# Altium PCB S6 V1.2.PcbDoc (part 1 of 3) (continued)
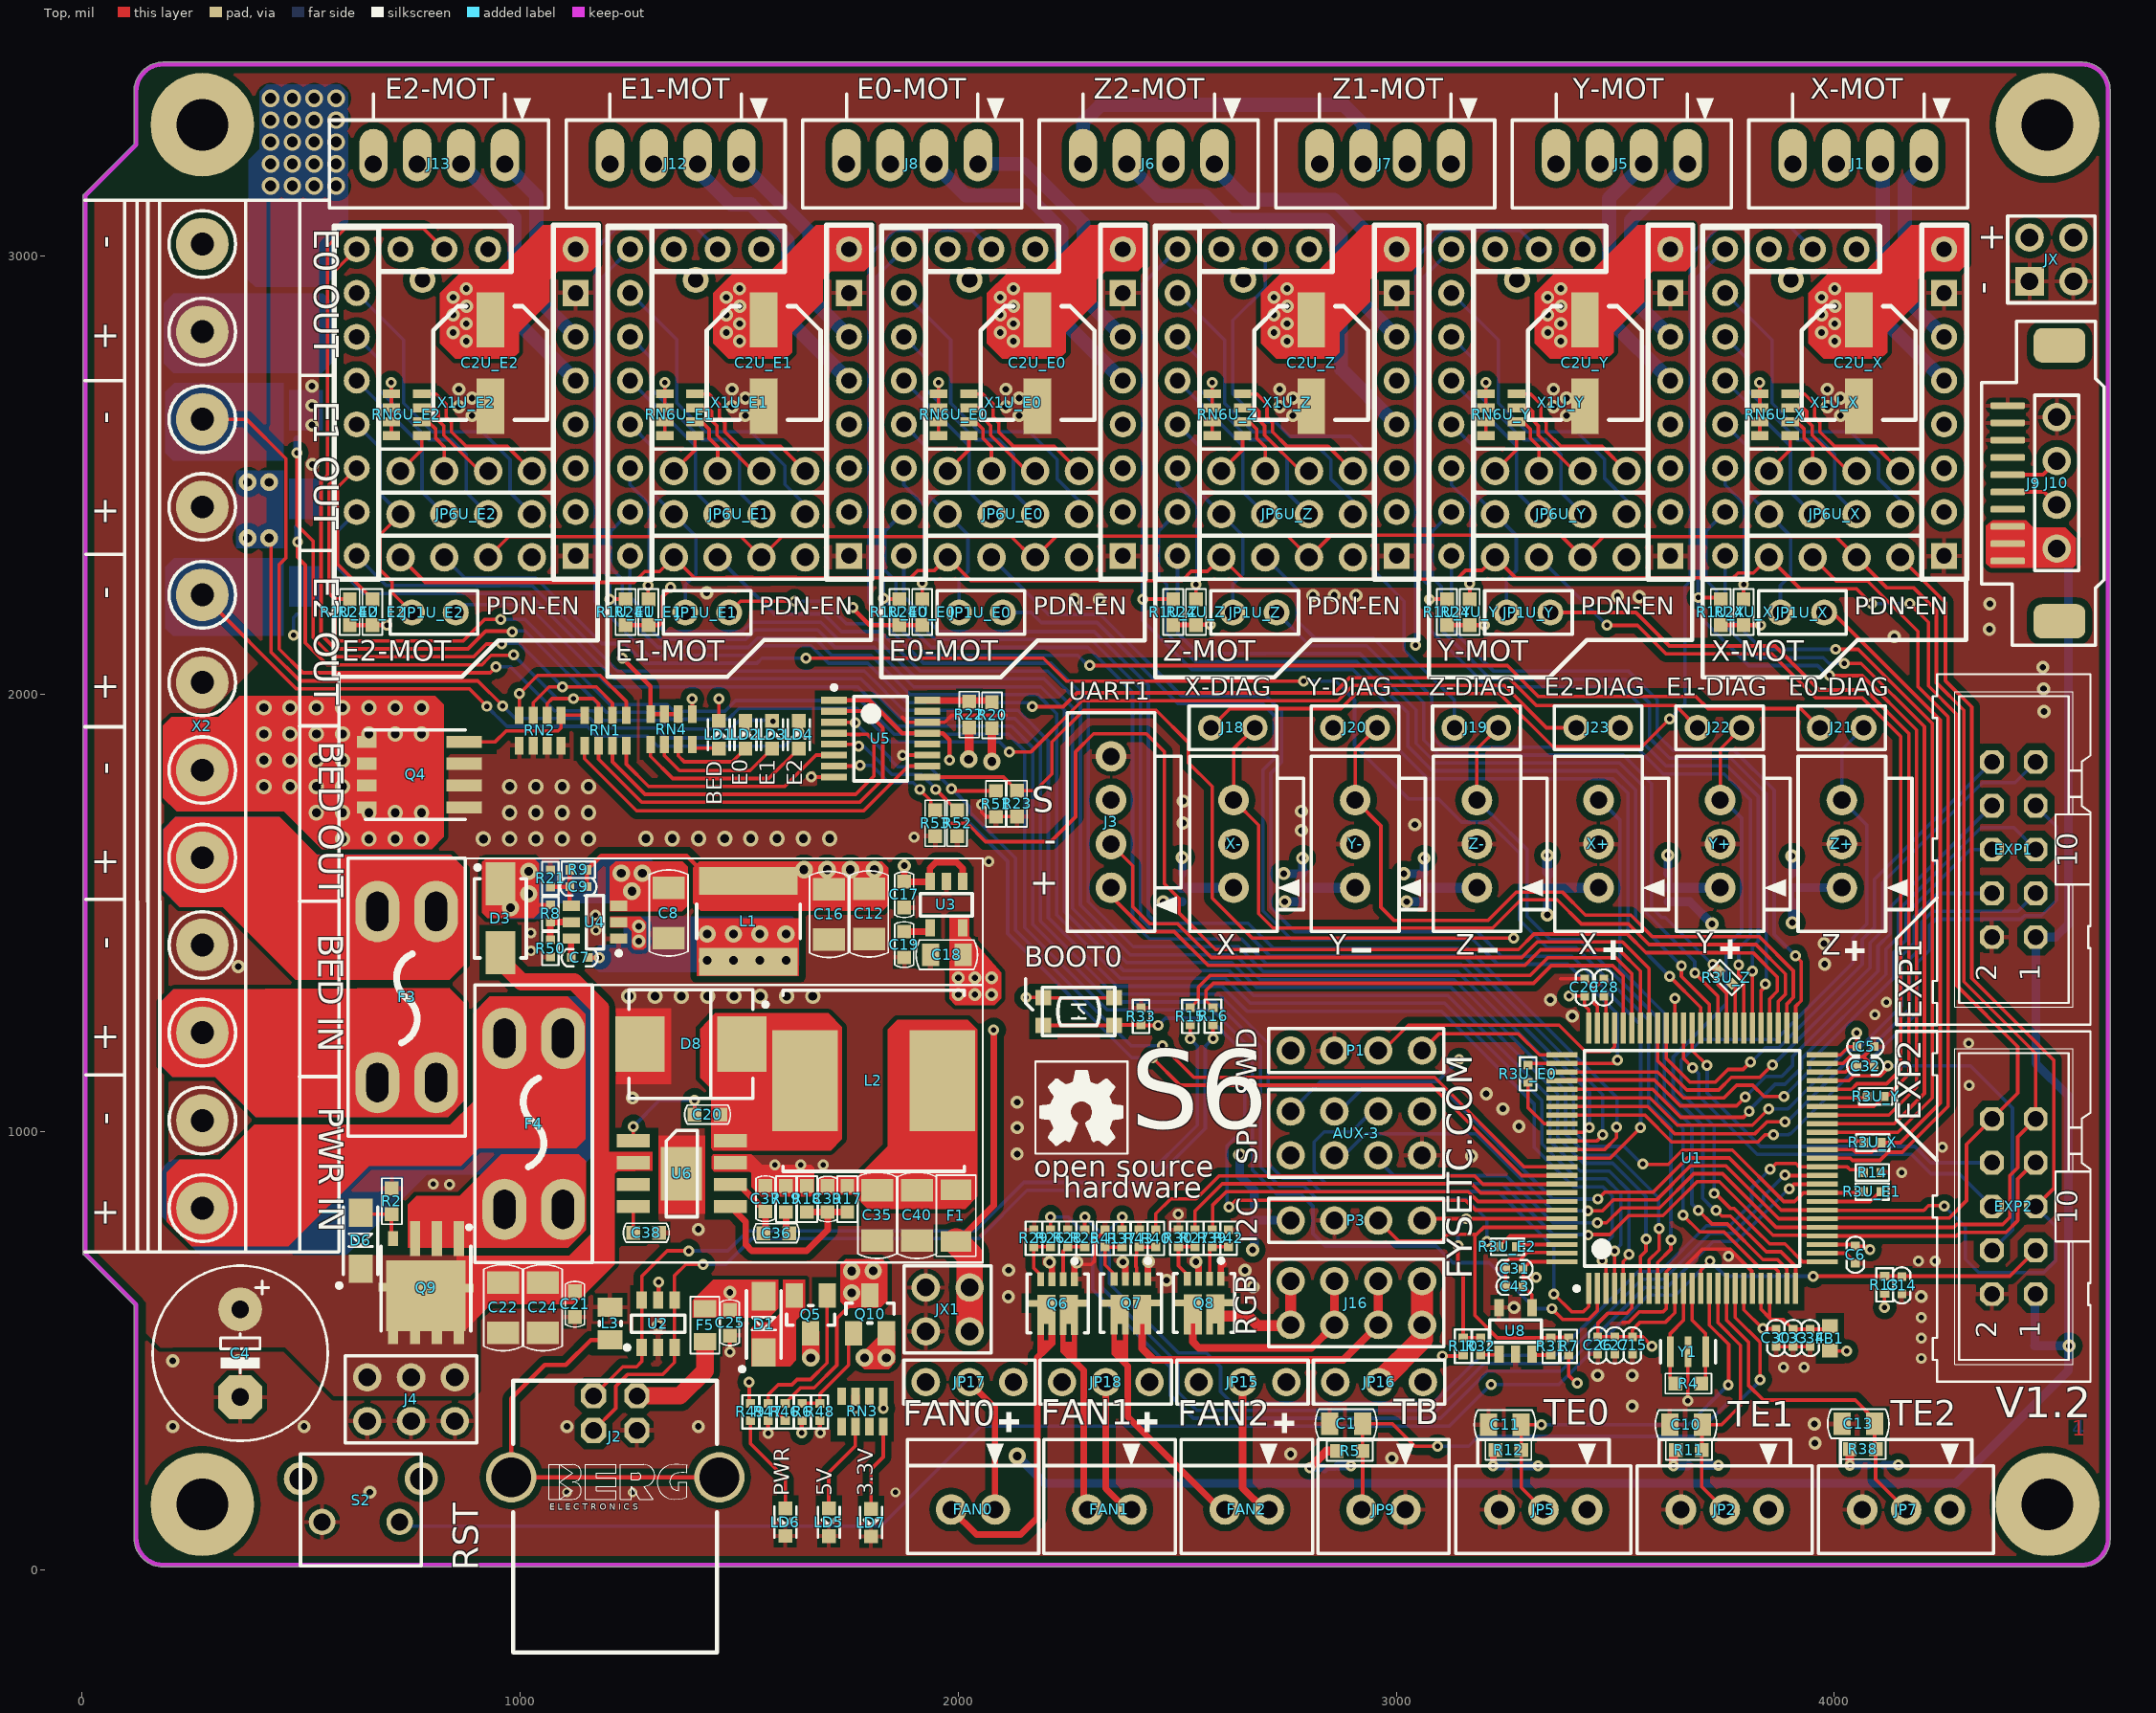
[diagram p0: Top view]
## Components (designator, comment, footprint, x,y, rotation, side; value= is the part's Value field where it differs from the comment)
AUX-3 "Header 4X2" "Header 2X4" 2759,947 r0 top
BOOT0 "4PIN-KEY" "BTN_KMR2_4.6X2.8 4脚按键" 2275.09,1275 r0 top
C1 "10uF" CAP0805 2885.6,334 r0 top
C2U_E0 "100uF" "ELCO Case D" 2180.9,2755.32 r90 top (schematic designator C2)
C2U_E1 "100uF" "ELCO Case D" 1555.9,2755.32 r90 top (schematic designator C2)
C2U_E2 "100uF" "ELCO Case D" 931.9,2755.32 r90 top (schematic designator C2)
C2U_X "100uF" "ELCO Case D" 4055.9,2755.32 r90 top (schematic designator C2)
C2U_Y "100uF" "ELCO Case D" 3430.9,2755.32 r90 top (schematic designator C2)
C2U_Z "100uF" "ELCO Case D" 2805.9,2755.32 r90 top (schematic designator C2)
C4 "470uF/35V" "RCL_E5-10,5 - 1/2" 361,495 r270 top
C5 "100nF" CAP0402 4071,1195 r180 top
C6 "100nF" CAP0402 4048,720 r90 top
C7 "0.1uF" CAP0402 1136,1398.22 r0 top value=100nF
C8 "10uF/35V" CAP1206 1339,1500 r90 top
C9 "100pF" CAP0402 1133,1560 r180 top value=47pF
C10 "10uF" CAP0805 3661.62,332 r0 top
C11 "10uF" CAP0805 3248,332 r0 top
C12 "100uF/10V" CAP1206 1796.49,1498 r270 top value=47uF
C13 "10uF" CAP0805 4055,334 r0 top
C14 "100nF" CAP0402 4154,650 r90 top
C15 "100nF" CAP0402 3539,513 r90 top
C16 "100uF/10V" CAP1206 1704.72,1497 r270 top value=47uF
C17 "1uF" CAP0603 1876.79,1541.87 r90 top value=100nF
C18 "22uF" CAP0805 1974,1405 r0 top value=100nF
C19 "22nF" CAP0603 1876.79,1428 r90 top value=100nF
C20 "100nF" CAP0603 1428,1040 r180 top
C21 "100nF" CAP0603 1125,607 r90 top
C22 "4.7uF/50V" CAP1206 961,599 r270 top
C24 "4.7uF/50V" CAP1206 1052,599 r270 top
C25 "100nF" CAP0603 1478.82,565 r90 top
C26 "10uF" CAP0402 3460,513 r90 top
C27 "4.7uF" CAP0402 3499,513 r90 top
C28 "4.7uF" CAP0402 3474,1330 r270 top
C29 "100nF" CAP0402 3430,1330 r270 top
C30 "100nF" CAP0402 3867,530 r90 top
C31 "100nF" CAP0402 3270,687.74 r0 top
C32 "4.7uF" CAP0402 4071,1150 r180 top
C33 "100nF" CAP0402 3906,530 r90 top
C34 "4.7uF" CAP0402 3945,530 r90 top
C35 "47uF/16V" CAP1206 1815,810 r270 top
C36 "2000pF" CAP0603 1585,769 r180 top
C37 "22pF" CAP0603 1560,848 r270 top
C38 "0.01uF" CAP0603 1288,770 r180 top
C39 "47pF" CAP0603 1702,847 r270 top
C40 "47uF/16V" CAP1206 1906,810 r270 top
C43 "100nF" CAP0402 3270,648 r0 top
D1 "SS34" SOD123 1556,561 r90 top
D3 "SS34" "DO214AC (SMA)" 955,1488 r90 top
D6 "15V" SOD123 636,752 r90 top value=SSB44-E3/52T
D8 "B540" SMC/DO-214AB 1390,1201 r0 top
D10 "SK104" POWEREDI5 464.78,2978.76 r90 bottom value=SSB44-E3/52T
EXP1 "Header 5X2" CON-ML_ML10 4410,1645 r90 top locked
EXP2 "Header 5X2" CON-ML_ML10 4410,830 r90 top locked
F1 "16V/5A" RES1206 1995,809 r270 top
F3 "20A" Fuse_Holder_TH_3568 808,1113 r90 top
F4 "15A" Fuse_Holder_TH_3568 964,1214 r270 top
F5 "500mA" RES0805 1422,559 r90 top value=0.5A
FAN0 "Header 2" "1X2 MTE STRAIGHT HEADER 2.54MM" 2084,138.43 r0 top
FAN1 "Header 2" "1X2 MTE STRAIGHT HEADER 2.54MM" 2395.5,138.43 r0 top
FAN2 "Header 2" "1X2 MTE STRAIGHT HEADER 2.54MM" 2709,138.43 r0 top
FB1 "120R @ 100MHz 2A 0603" L0603 3990,529 r90 top value="120R @ 100 MHz"
J1 "XH2.54-4P" "1x4 MTE Straight Header 2.54mm"#1 4205,3210 r0 top
J2 "USB connector" CON-BERG_PN61729-S 1216.77,211.85 r0 top locked
J3 "Header 4" "1x4 MTE Straight Header 2.54mm"#2 2349,1557.69 r270 top locked
J4 "Header 3X2" "header 2X3" 851,440 r180 top
J5 "XH2.54-4P" "1x4 MTE Straight Header 2.54mm"#1 3665,3210 r0 top
J6 "XH2.54-4P" "1x4 MTE Straight Header 2.54mm"#1 2585,3210 r0 top
J7 "XH2.54-4P" "1x4 MTE Straight Header 2.54mm"#1 3125,3210 r0 top
J8 "XH2.54-4P" "1x4 MTE Straight Header 2.54mm"#1 2045,3210 r0 top
J9 "Header 10" 1.0mm_掀盖FPC 4396,2480.94 r90 top locked
J10 "Header 4" "Header 1X4" 4508,2332 r90 top
J12 "XH2.54-4P" "1x4 MTE Straight Header 2.54mm"#1 1505,3210 r0 top
J13 "XH2.54-4P" "1x4 MTE Straight Header 2.54mm"#1 965,3210 r0 top
J16 "Header 4X2" "Header 2X4" 3059,659.76 r180 top
J18 "Header 2" HDR1X2 2577,1923 r0 top
J19 "Header 2" HDR1X2 3133,1923 r0 top
J20 "Header 2" HDR1X2 2856,1923 r0 top
J21 "Header 2" HDR1X2 3967,1923 r0 top
J22 "Header 2" HDR1X2 3688.18,1923 r0 top
J23 "Header 2" HDR1X2 3411,1923 r0 top
JP1U_E0 "Header 2" HDR1X2 2002,2186 r0 top (schematic designator JP1)
JP1U_E1 "Header 2" HDR1X2 1377,2186 r0 top (schematic designator JP1)
JP1U_E2 "Header 2" HDR1X2 753,2186 r0 top (schematic designator JP1)
JP1U_X "Header 2" HDR1X2 3877,2186 r0 top (schematic designator JP1)
JP1U_Y "Header 2" HDR1X2 3252,2186 r0 top (schematic designator JP1)
JP1U_Z "Header 2" HDR1X2 2627,2186 r0 top (schematic designator JP1)
JP2 "Header 3" "1X3 MTE STRAIGHT HEADER 2.54MM" 3850,138 r0 top
JP3 "Jumper-3P" PAD-JUMPER-3-2OF3_NC_BY_PASTE_YES_SILK_FULL_BOX 2786.8,1557.69 r270 bottom
JP4 "Header 2" Jumper2 4490,512 r0 bottom
JP5 "Header 3" "1X3 MTE STRAIGHT HEADER 2.54MM" 3436,138 r0 top locked
JP6U_E0 "JUMPER 4X3" "HEADER 3x4" 2275.9,2311.89 r180 top (schematic designator JP6)
JP6U_E1 "JUMPER 4X3" "HEADER 3x4" 1650.9,2311.89 r180 top (schematic designator JP6)
JP6U_E2 "JUMPER 4X3" "HEADER 3x4" 1026.9,2311.89 r180 top (schematic designator JP6)
JP6U_X "JUMPER 4X3" "HEADER 3x4" 4150.9,2311.89 r180 top (schematic designator JP6)
JP6U_Y "JUMPER 4X3" "HEADER 3x4" 3525.9,2311.89 r180 top (schematic designator JP6)
JP6U_Z "JUMPER 4X3" "HEADER 3x4" 2900.9,2311.89 r180 top (schematic designator JP6)
JP7 "Header 3" "1X3 MTE STRAIGHT HEADER 2.54MM" 4264,138 r0 top locked
JP8 "Jumper-3P" PAD-JUMPER-3-2OF3_NC_BY_PASTE_YES_SILK_FULL_BOX 2512,1557.69 r270 bottom
JP9 "Header 2" "1X2 MTE STRAIGHT HEADER 2.54MM" 3021,138 r0 top locked
JP11 "Header 2" Jumper2 4076,241 r180 bottom
JP12 "Header 2" Jumper2 3667,241 r180 bottom
JP13 "Header 2" Jumper2 3252.53,241 r180 bottom
JP14 "Header 2" Jumper2 2836,241 r180 bottom
JP15 "Header 3" "Header 1X3" 2549,429 r0 top
JP16 "Header 3" "Header 1X3" 2861,429 r0 top
JP17 "Header 3" "Header 1X3" 1926,429 r0 top
JP18 "Header 3" "Header 1X3" 2237,429 r0 top
JP19 "Jumper-3P" PAD-JUMPER-3-2OF3_NC_BY_PASTE_YES_SILK_FULL_BOX 3348.4,1557.69 r270 bottom
JP20 "Jumper-3P" PAD-JUMPER-3-2OF3_NC_BY_PASTE_YES_SILK_FULL_BOX 3064.6,1557.69 r270 bottom
JP21 "Jumper-3P" PAD-JUMPER-3-2OF3_NC_BY_PASTE_YES_SILK_FULL_BOX 3904,1557.69 r270 bottom
JP22 "Jumper-3P" PAD-JUMPER-3-2OF3_NC_BY_PASTE_YES_SILK_FULL_BOX 3625.2,1557.69 r270 bottom
JP23 "Jumper-3P" PAD-JUMPER-3-2OF3_NC_BY_PASTE_YES_SILK_FULL_BOX 2676,799 r90 bottom
JX "Header 2X2" "Header 2X2"#1 4446,2942 r0 top
JX1 "Header 2X2" "Header 2X2"#2 1926,645 r270 top
L1 "22uH" NRS6045 1521,1481 r90 top
L2 "4.7uH/7A" "10X10屏蔽电感 5A" 1807,1117 r0 top
L3 "Bead" L0805 1205.31,563 r90 top
LD1 "LED_0603" LED0603 1453.5,1907 r0 top
LD2 "LED_0603" LED0603 1514.33,1907 r0 top
LD3 "LED_0603" LED0603 1575.17,1907 r0 top
LD4 "LED_0603" LED0603 1636,1907 r0 top
LD5 "LED_0603" LED0603 1704.63,109 r180 top
LD6 "LED_0603" LED0603 1605.5,109.5 r180 top
LD7 "LED_0603" LED0603 1800.94,108.3 r180 top
P1 "Header 4" "Header 1X4" 3059,1186 r180 top
P3 "Header 4" "Header 1X4" 3059,798 r180 top
Q1 "WSD3050" DFN3X3-8L 435.12,2420.11 r270 bottom value=IRF8736PBF
Q2 "WSD3050" DFN3X3-8L 435.12,2622.11 r270 bottom value=IRF8736PBF
Q3 "WSD3050" DFN3X3-8L 435.12,2221.5 r270 bottom value=IRF8736PBF
Q4 "PSMN1R8-40YLC" NXP_LFPAK56 760.78,1816 r90 top value=IRF8736PBF
Q5 "FDN340P" SOT23-3 1663.35,583.69 r0 top
Q6 "WSD3020DN" DFN3X3-8L-DUAL 2226.96,609 r180 top
Q7 "WSD3020DN" DFN3X3-8L-DUAL 2394.43,609.34 r180 top
Q8 "WSD3020DN" DFN3X3-8L-DUAL 2561.31,610 r180 top
Q9 "WSD30L120" AO_DFN5X6 785,644.8 r180 top
Q10 "FDN340P" SOT23-3 1798.68,584 r180 top
R1U_E0 "10k" RES0603#1 1866,2187 r270 top (schematic designator R1)
R1U_E1 "10k" RES0603#1 1241,2187 r270 top (schematic designator R1)
R1U_E2 "10k" RES0603#1 611,2187 r270 top (schematic designator R1)
R1U_X "10k" RES0603#1 3741,2187 r270 top (schematic designator R1)
R1U_Y "10k" RES0603#1 3116,2187 r270 top (schematic designator R1)
R1U_Z "10k" RES0603#1 2491,2187 r270 top (schematic designator R1)
R2 "10k" RES0603#1 707,842 r90 top
R3U_E0 "1k" RES0402 3301,1133 r270 top (schematic designator R3)
R3U_E1 "1k" RES0402 4086.48,864 r0 top (schematic designator R3)
R3U_E2 "1k" RES0402 3254,738 r0 top (schematic designator R3)
R3U_X "1k" RES0402 4087.68,975.93 r180 top (schematic designator R3)
R3U_Y "1k" RES0402 4094.53,1081.46 r180 top (schematic designator R3)
R3U_Z "1k" RES0402 3752.6,1352.44 r315 top (schematic designator R3)
R4 "1M" RES0603#1 3667,426 r0 top
R5 "4.7K" RES0603#1 2894,272 r180 top
R6 "1K" RES0402 1644,361.16 r270 top
R7 "2.2k" RES0402 3394,510.66 r90 top
R8 "500K" RES0402 1069,1498.8 r90 top
R9 "100K" RES0402 1133,1598.68 r180 top value=49.9k
R10 "2.2k" RES0402 3153,511 r90 top
R11 "4.7K" RES0603#2 3668,274 r180 top
R12 "4.7K" RES0603#2 3256,274 r180 top
R13 "100k" RES0402 4115,651.09 r270 top
R14 "10k" RES0402 4087,907.84 r180 top value=10K
R15 "22E" RES0402 2529.84,1263.84 r90 top
R16 "22E" RES0402 2581.69,1264.58 r90 top
R17 "20k" RES0603#1 1747,847 r270 top
R18 "1.42k" RES0603#1 1655,847 r90 top
R19 "10k" RES0603#1 1607,847 r90 top
R20 "0R" RES0603#1 2077,1951.45 r90 top value=4.7K
R21 "13.3K" RES0402 1069,1579 r90 top value=9.53k
R22 "NC/0R" RES0603#1 2025.01,1952.92 r90 top value=4.7K
R23 "10K" RES0603#1 2134.53,1749.56 r270 top value=4.7K
R24U_E0 "NC/10K" RES0603#1 1918,2187 r270 top value=10k (schematic designator R24)
R24U_E1 "NC/10K" RES0603#1 1293,2187 r270 top value=10k (schematic designator R24)
R24U_E2 "NC/10K" RES0603#1 663,2187 r270 top value=10k (schematic designator R24)
R24U_X "NC/10K" RES0603#1 3793,2187 r270 top value=10k (schematic designator R24)
R24U_Y "NC/10K" RES0603#1 3168,2187 r270 top value=10k (schematic designator R24)
R24U_Z "NC/10K" RES0603#1 2543,2187 r270 top value=10k (schematic designator R24)
R25 "1K" RES0402 2288.96,757.68 r270 top
R26 "1K" RES0402 2210.96,757.68 r270 top
R27 "1K" RES0402 2540.81,757.68 r270 top
R28 "10K" RES0402 2249.96,757.68 r90 top
R29 "10K" RES0402 2172.73,757.68 r90 top
R30 "10K" RES0402 2502.81,757.68 r90 top
R31 "1k" RES0402 3353,510.66 r270 top
R32 "1k" RES0402 3192.53,511 r270 top
R33 "10k" RES0402 2417.38,1264.11 r270 top
R37 "1K" RES0402 2374.28,757.02 r270 top
R38 "4.7K" RES0603#2 4065,276 r180 top
R39 "1K" RES0402 2580,757.69 r270 top
R40 "1K" RES0402 2451.28,757.02 r270 top
R41 "10K" RES0402 2335.28,757.02 r90 top
R42 "10K" RES0402 2616.98,757.69 r90 top
R43 "10K" RES0402 2413.28,757.02 r90 top
R46 "1K" RES0402 1604.9,361.16 r90 top
R47 "100K" RES0402 1566,361.16 r90 top
R48 "100K" RES0402 1684,361.16 r90 top
R49 "1.8k" RES0402 1526,361 r90 top
R50 "100K" RES0402 1069,1418.96 r90 top
R51 "10K" RES0603#1 2086.22,1749.17 r270 top value=4.7K
R52 "10K" RES0603#1 1997.78,1704.99 r270 top value=4.7K
R53 "10K" RES0603#1 1947.48,1704.99 r270 top value=4.7K
RN1 "10R" RESISTOR-DIL_CAY16 1195,1917 r180 top
RN2 "100K" RESISTOR-DIL_CAY16 1046,1917 r180 top
RN3 "1K" RESISTOR-DIL_CAY16 1781,362 r0 top
RN4 "2.2K" RESISTOR-DIL_CAY16 1345,1919 r0 top
RN6U_E0 "4.7K" RESISTOR-DIL_CAY16 1990,2637 r90 top (schematic designator RN6)
RN6U_E1 "4.7K" RESISTOR-DIL_CAY16 1365,2637 r90 top (schematic designator RN6)
RN6U_E2 "4.7K" RESISTOR-DIL_CAY16 741,2637 r90 top (schematic designator RN6)
RN6U_X "4.7K" RESISTOR-DIL_CAY16 3865,2637 r90 top (schematic designator RN6)
RN6U_Y "4.7K" RESISTOR-DIL_CAY16 3240,2637 r90 top (schematic designator RN6)
RN6U_Z "4.7K" RESISTOR-DIL_CAY16 2615,2637 r90 top (schematic designator RN6)
S2 "Momentary Tactile Button" "7.5x6x6.5 侧按开关" 725,110 r180 top
U1 "STM32F4xxVET6" TSQFP50P1600X1600X120-100N 3675.63,940 r90 top locked value=Value
U2 "USBLC6-2SC6" SOT23-6N 1315,562.25 r90 top
U3 "AP2112-3.3V" SOT23-5 1973,1519 r180 top
U4 "TPS54202" SOT23-6N 1171.18,1479 r180 top
U5 "CD4504B-EP" SSOP16 1823,1898 r0 top
U6 "TPS54531" "SO8_WITH PAD" 1368.78,905 r0 top
U8 "24LC16BT-I/OTCT-ND" SOT23-5 3272.53,545.67 r0 top
X1U_E0 "2X8P 排母" TMC_breakout 1875.9,3015.32 r270 top (schematic designator X1)
X1U_E1 "2X8P 排母" TMC_breakout 1250.9,3015.32 r270 top (schematic designator X1)
X1U_E2 "2X8P 排母" TMC_breakout 626.9,3015.32 r270 top (schematic designator X1)
X1U_X "2X8P 排母" TMC_breakout 3750.9,3015.32 r270 top (schematic designator X1)
X1U_Y "2X8P 排母" TMC_breakout 3125.9,3015.32 r270 top (schematic designator X1)
X1U_Z "2X8P 排母" TMC_breakout 2500.9,3015.32 r270 top (schematic designator X1)
X2 "5.08-12P" CON-PHOENIX-508_MKDSN1,5/12-5,08 274.41,3027.17 r270 top locked
X+ "Header 3" "1x3 MTE Straight Header 2.54mm" 3461.95,1557.69 r270 top locked
X- "Header 3" "1x3 MTE Straight Header 2.54mm" 2628.74,1557.69 r270 top locked
Y1 "12Mhz" CSTC 3666,498 r180 top
Y+ "Header 3" "1x3 MTE Straight Header 2.54mm" 3739.69,1557.69 r270 top locked
Y- "Header 3" "1x3 MTE Straight Header 2.54mm" 2906.48,1557.69 r270 top locked
Z+ "Header 3" "1x3 MTE Straight Header 2.54mm" 4017.43,1557.69 r270 top locked
Z- "Header 3" "1x3 MTE Straight Header 2.54mm" 3184.21,1557.69 r270 top locked

## Footprints (in the part's own frame and the unit in brackets; to place one, negate y for a bottom-side part, rotate by r counter-clockwise, add the part's x,y. Pads: shape width x height; smd on the part's side, far side on the other; paste and mask are expansions set on the pad)
1.0mm_掀盖FPC [mm]
  rrect50% 0.4x2 smd: 1(-4.5,0) 2(-3.5,0) 3(-2.5,0) 4(-1.5,0) 5(-0.5,0) 6(0.5,0) 7(1.5,0) 8(2.5,0) 9(3.5,0) 10(4.5,0)
  rrect50% 2x3 smd: 11(-8,-3) 12(8,-3)
  silkscreen extent -9.4,-5.59 9.4,1.52
"1X2 MTE STRAIGHT HEADER 2.54MM" [mil] "1x2 MTE Straight Header 2.54mm"
  round 70 hole 39.37: 1(0,0) 2(-100,0)
  silkscreen extent -200,-100 100,160, body extent -200,-100 100,160, height 539
"1X3 MTE STRAIGHT HEADER 2.54MM" [mil] "1x3 MTE Straight Header 2.54mm"
  round 70 hole 39.37: 1(0,0) 2(-100,0) 3(-200,0)
  silkscreen extent -300,-100 100,160, body extent -300,-100 100,160, height 539
"1x3 MTE Straight Header 2.54mm" [mil] "1x3 MTE Straight Header 2.54mm"
  round 70 hole 39.37: 1(0,0) 2(-100,0) 3(-200,0)
  silkscreen extent -300,-100 100,160, body extent -300,-100 100,160, height 539
"1x4 MTE Straight Header 2.54mm"#1 [mil] "1x4 MTE Straight Header 2.54mm"
  oval 65x120 hole 39.37 copper offset 0,20: 1(0,0) 2(-100,0) 3(-200,0) 4(-300,0)
  silkscreen extent -400,-100 100,160, body extent -400,-100 100,160, height 539
"1x4 MTE Straight Header 2.54mm"#2 [mil] "1x4 MTE Straight Header 2.54mm"
  round 70 hole 39.37: 1(0,0) 2(-100,0) 3(-200,0) 4(-300,0)
  silkscreen extent -400,-100 100,160, body extent -400,-100 100,160, height 539
"7.5x6x6.5 侧按开关" [mm]
  round 1.54 hole 1: 1(0,0) 2(4.5,0)
  round 1.93 hole 1.3: 3(-1.25,-2.5) 4(5.75,-2.5)
  silkscreen extent -1.25,-3.95 5.75,2.55, body extent -1.84,-3.95 6.34,3.85, height 7.1
"10X10屏蔽电感 5A" [mm] "Precision Wire Wound Inductor, 2-Leads, Body 10.45x10.45mm, IPC Medium Density"
  rect 3.8x5.842 smd: 1(-3.975,0) 2(3.975,0)
  silkscreen extent -5.25,-5.25 5.25,5.25, body extent -5.32,-5.23 5.33,5.23, height 3.7
AO_DFN5X6 [mm] "Alpha & Omega DFN 5x6 mm"
  rect 0.6x2.032 smd: 1(-1.905,-2.85) 2(-0.635,-2.85) 3(0.635,-2.85)
  rect 0.6x0.85 smd: 4(1.905,-2.85)
  rect 0.6x0.75 smd: 5(1.905,2.895) 6(0.635,2.895) 7(-0.635,2.895) 8(-1.905,2.895)
  rect 0.55x0.5 smd: 8(-2.488,0.025) 8(2.488,-0.025)
  rect 4.6x4.12 smd: 8(0,0.475)
  silkscreen extent -2.6,-3.6 2.6,2.5, body extent -2.62,-3.12 2.63,3.12, height 1.14
"BTN_KMR2_4.6X2.8 4脚按键" [mil]
  rect 35.43x35.43 smd: 1(-80.71,-31.5) 2(80.71,-31.5) 3(-80.71,31.5) 4(80.71,31.5)
  silkscreen extent -83,-55 83,55
CAP0402 [mm]
  rect 0.5x0.5 smd: 1(-0.5,0) 2(0.5,0)
  silkscreen extent -1.05,-0.5 1.05,0.5, body extent -0.5,-0.25 0.5,0.25, height 0.5
CAP0603 [mm]
  rect 0.8x0.8 smd mask+0.1: 1(-0.75,0) 2(0.75,0)
  silkscreen extent -1.32,-0.55 1.32,0.55, body extent -0.8,-0.4 0.8,0.4, height 0.9
CAP0805 [mm]
  rect 1x1.3 smd: 1(-0.95,0) 2(0.95,0)
  silkscreen extent -1.78,-0.85 1.78,0.85, body extent -1,-0.6 1,0.6, height 1.2
CAP1206 [mm]
  rect 1.3x1.85 smd: 1(-1.45,0) 2(1.45,0)
  silkscreen extent -2.5,-1.12 2.5,1.12, body extent -1.6,-0.8 1.6,0.8, height 0.77
CON-BERG_PN61729-S [mil]
  oct 57x57 hole 38: 1(50,186) 2(-49.21,186) 3(-49.21,107) 4(50,107)
  round 115 hole 91: S1(-237.01,0) S2(238,0)
  silkscreen extent -232,-400 233,221, body extent -292,-404 294,265, height 433
CON-ML_ML10 [mil]
  oct 54x54 hole 36: 1(-200,-50) 2(-200,50) 3(-100,-50) 4(-100,50) 5(0,-50) 6(0,50) 7(100,-50) 8(100,50) 9(200,-50) 10(200,50)
  silkscreen extent -400,-175 400,185, body extent -400,-180 400,183, height 351
CON-PHOENIX-508_MKDSN1,5/12-5,08 [mil]
  round 120 hole 52: 1(0,0) 2(200,0) 3(400,0) 4(600,0) 5(800.83,0) 6(1000.83,0) 7(1200.83,0) 8(1400.83,0) 9(1600.11,0.23) 10(1800.11,0.23) 11(2000.94,0.23) 12(2200.94,0.23)
  silkscreen extent -100,-177 2301,222, body extent -100,-194 2295,223, height 720
CSTC [mil]
  rect 15x70 smd: 1(-40.4,0) 2(0,0) 3(40.4,0)
  silkscreen extent -63,-26 63,26, body extent -63,-26 63,26, height 39
DFN3X3-8L [mm]
  rect 0.4x0.8 smd: 1(-0.962,-1.412) 2(-0.312,-1.412) 3(0.338,-1.412) 4(0.988,-1.412) 5(0.988,1.412) 6(0.338,1.412) 7(-0.312,1.412) 8(-0.962,1.412)
  rect 0.8x0.4 smd: 6(1.334,-0.012) 8(-1.333,-0.022)
  rect 2.5x1.8 smd: 8(0.013,0.343)
  silkscreen extent -1.76,-2.59 1.79,1.69, body extent -1.61,-1.57 1.64,1.55, height 1
DFN3X3-8L-DUAL [mm] "QFN, 8-Leads, Body 3.15x3.00mm, Pitch 0.65mm, Thermal Pad 2.45x1.74mm, IPC Medium Density"
  rect 0.4x0.8 smd: 1(-0.975,-1.4) 2(-0.325,-1.4) 3(0.325,-1.4) 4(0.975,-1.4) 5(0.975,1.425) 6(0.325,1.425) 7(-0.325,1.425) 8(-0.975,1.425)
  rect 1.05x1.7 smd: 6(0.65,0.356) 8(-0.65,0.356)
  rect 0.8x0.4 smd: 6(1.321,0) 8(-1.346,-0.01)
  silkscreen extent -1.78,-2.57 1.78,1.7, body extent -1.62,-1.56 1.63,1.56, height 1
"DO214AC (SMA)" [mm]
  rect 2.5x1.7 smd: 1(-2,0) 2(2,0)
  silkscreen extent -2.3,-1.5 3.07,1.5, body extent -2.74,-1.4 2.74,1.4, height 2.3
"ELCO Case D" [mm]
  rect 3.2x1.6 smd: 1(2.5,0) 2(-2.5,0)
  silkscreen extent -3.3,-3.3 3.3,3.3, body extent -3.5,-3.3 3.5,3.3, height 5.41
Fuse_Holder_TH_3568 [mil] "Keystone Mini Fuse Holder, Vertical TH"
  oval 140x100 hole 50 slot 90 at 0 deg: 1(0,133.86) 1(0,0) 2(390.55,0) 2(390.55,133.86)
  silkscreen extent -122,-67 512,201, body extent -120,-63 510,203, height 290
HDR1X2 [mm] "Connector; Header; 2 Position"
  round 1.5 hole 0.9: 1(0,0) 2(2.54,0)
  silkscreen extent -1.27,-1.27 3.81,1.27
"Header 1X3" [mm]
  round 1.65 hole 1.02: 1(0,0) 2(2.54,0) 3(5.08,0)
  silkscreen extent -1.27,-1.27 6.35,1.27, body extent -1.27,-1.25 6.25,1.25, height 8.2
"Header 1X4" [mm]
  round 1.65 hole 1.02: 1(0,0) 2(2.54,0) 3(5.08,0) 4(7.62,0)
  silkscreen extent -1.27,-1.27 8.89,1.27, body extent -1.27,-1.25 8.79,1.25, height 8.3
"Header 2X2"#1 [mm]
  rect 1.65x1.65 hole 1.02: 1(0,0)
  round 1.65 hole 1.02: 2(0,2.54) 3(2.54,0) 4(2.54,2.54)
  silkscreen extent -1.27,-1.25 3.79,3.79, body extent -1.27,-1.27 3.81,3.81, height 8.5
"Header 2X2"#2 [mm]
  round 1.65 hole 1.02: 1(0,0) 2(0,2.54) 3(2.54,0) 4(2.54,2.54)
  silkscreen extent -1.27,-1.25 3.79,3.79, body extent -1.27,-1.27 3.81,3.81, height 8.5
"header 2X3" [mm]
  round 1.65 hole 1.02: 1(0,0) 2(0,2.54) 3(2.54,0) 4(2.54,2.54) 5(5.08,0) 6(5.08,2.54)
  silkscreen extent -1.27,-1.25 6.35,3.79, body extent -1.27,-1.27 6.35,3.81, height 8.5
"Header 2X4" [mm]
  round 1.65 hole 1.02: 1(0,0) 2(0,2.54) 3(2.54,0) 4(2.54,2.54) 5(5.08,0) 6(5.08,2.54) 7(7.62,0) 8(7.62,2.54)